# KiCad board TKEEB.kicad_pcb (continued)
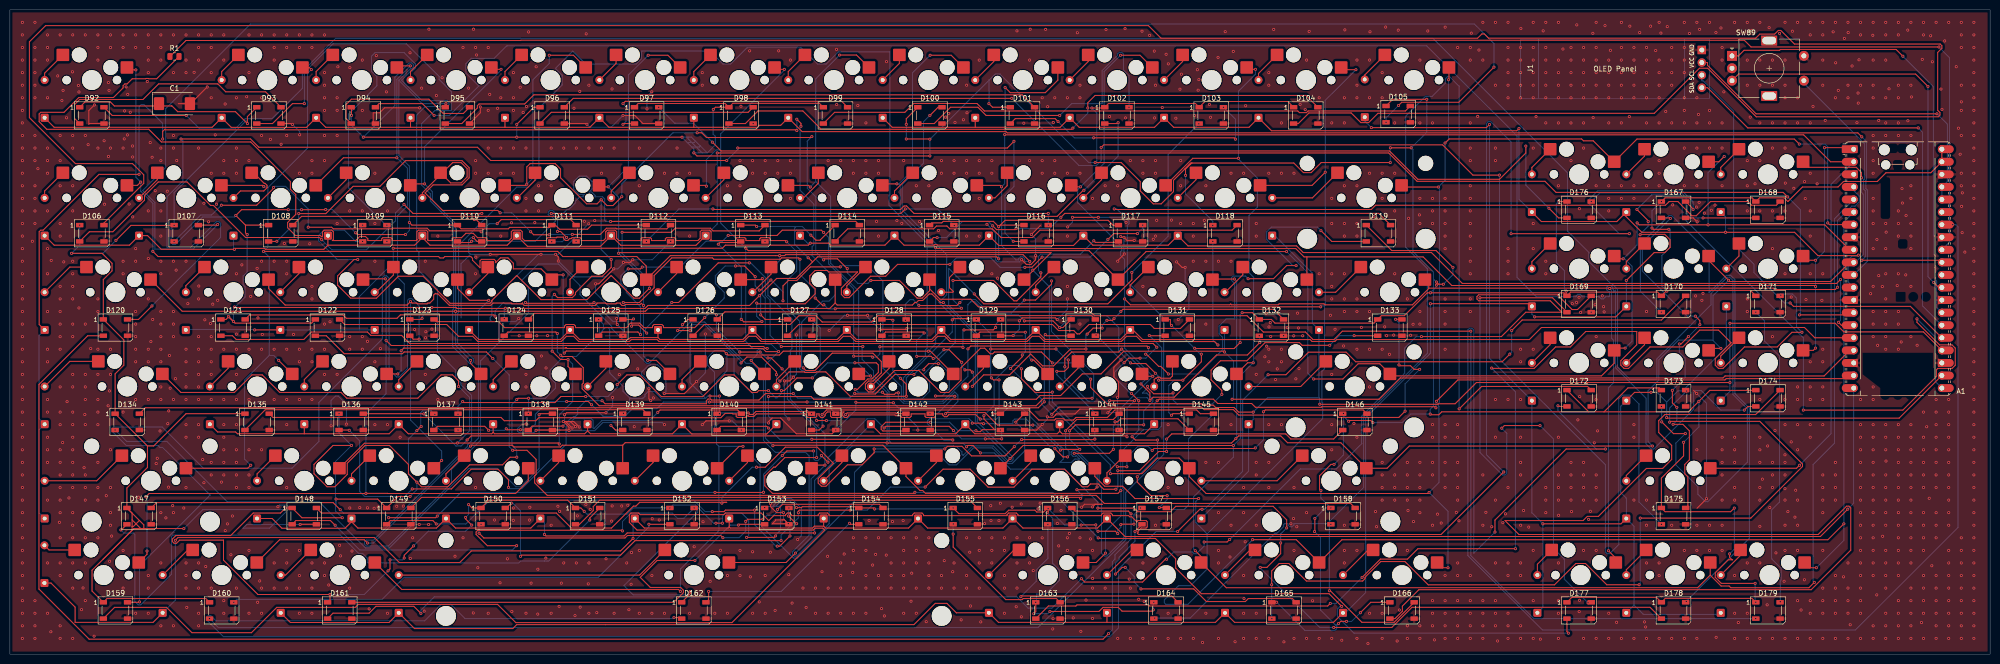
[diagram p0: board, top side]
## Routing (per net, layer and track width the routed paths; a pad name or vN(x,y) marks a point on that pad's centre or on a via; arc(x,y) is an arc through that point) (continued)
  Top w0.2: D26.2 178.45,93.56 SW26.2
Net-(D27-A): length 7.3
  Top w0.2: SW27.2 201.18,94.63 198.72,92.16 D27.2
Net-(D28-A): length 6.6
  Top w0.2: D28.2 220.23,95.85 SW28.2
Net-(D29-A): length 6.6
  Top w0.2: D29.2 239.28,95.85 SW29.2
Net-(D30-A): length 6.6
  Top w0.2: D30.2 35.49,74.42 SW30.2
Net-(D31-A): length 6.6
  Top w0.2: SW31.2 58.31,76.88 D31.2
Net-(D32-A): length 6.8
  Top w0.2: D32.2 73.88,73.11 77.36,76.59 SW32.2
Net-(D33-A): length 6.6
  Top w0.2: SW33.2 96.41,76.88 D33.2
Net-(D34-A): length 6.1
  Top w0.2: SW34.2 112.99,75.72 D34.2
Net-(D35-A): length 6.6
  Top w0.2: SW35.2 134.51,76.88 D35.2
Net-(D36-A): length 6.7
  Top w0.2: D36.2 149.89,73.11 153.56,76.78 SW36.2
Net-(D37-A): length 6.6
  Top w0.2: SW37.2 168.84,74.42 D37.2
Net-(D38-A): length 8.6
  Top w0.2: SW38.2 189.56,76.09 189.56,74.01 190.33,73.24 190.2,73.11 D38.2
Net-(D39-A): length 6.6
  Top w0.2: D39.2 206.94,74.51 SW39.2
Net-(D40-A): length 6.6
  Top w0.2: D40.2 225.99,74.51 SW40.2
Net-(D41-A): length 6.7
  Top w0.2: D41.2 245.21,73.11 248.72,76.63 SW41.2
Net-(D42-A): length 6.6
  Top w0.2: D42.2 44.02,57.75 SW42.2
Net-(D43-A): length 6.6
  Top w0.2: D43.2 59.39,55.46 SW43.2
Net-(D44-A): length 6.6
  Top w0.2: SW44.2 78.44,55.46 D44.2
Net-(D45-A): length 6.6
  Top w0.2: SW45.2 97.49,55.46 D45.2
Net-(D46-A): length 6.6
  Top w0.2: SW46.2 120.22,57.75 D46.2
Net-(D47-A): length 6.6
  Top w0.2: SW47.2 135.59,55.46 D47.2
Net-(D48-A): length 6.6
  Top w0.2: SW48.2 154.64,55.46 D48.2
Net-(D49-A): length 6.6
  Top w0.2: D49.2 177.37,57.75 SW49.2
Net-(D50-A): length 6.6
  Top w0.2: D50.2 196.42,57.75 SW50.2
Net-(D51-A): length 6.6
  Top w0.2: D51.2 215.47,57.75 SW51.2
Net-(D52-A): length 8.5
  Top w0.2: SW52.2 234.52,56.22 234.54,56.2 234.08,55.74 232.2,55.74 232,55.94 231.5,55.94 231.3,55.74 231.12,55.74 230.84,55.46 D52.2
Net-(D53-A): length 6.6
  Top w0.2: SW53.2 49.86,36.41 D53.2
Net-(D54-A): length 6.6
  Top w0.2: D54.2 68.91,36.41 SW54.2
Net-(D55-A): length 6.6
  Top w0.2: SW55.2 87.96,36.41 D55.2
Net-(D56-A): length 6.6
  Top w0.2: D56.2 110.7,38.7 SW56.2
Net-(D57-A): length 6.6
  Top w0.2: D57.2 129.75,38.7 SW57.2
Net-(D58-A): length 6.6
  Top w0.2: SW58.2 148.8,38.7 D58.2
Net-(D59-A): length 6.6
  Top w0.2: SW59.2 167.85,38.7 D59.2
Net-(D60-A): length 6.6
  Top w0.2: SW60.2 186.9,38.7 D60.2
Net-(D61-A): length 6.6
  Top w0.2: D61.2 205.95,38.7 SW61.2
Net-(D62-A): length 6.7
  Top w0.2: D62.2 221.31,36.61 224.79,40.09 SW62.2
Net-(D63-A): length 6.5
  Top w0.2: D63.2 7.9,21.04 SW63.2
Net-(D64-A): length 8.2
  Top w0.2: D64.2 35.89,21.04 SW64.2
Net-(D65-A): length 8.2
  Top w0.2: D65.2 55.61,15.96 SW65.2
Net-(D66-A): length 55.8
  Top w0.2: D66.2 127.05,15.96 SW66.2
Net-(D67-A): length 8.2
  Top w0.2: D67.2 202.58,21.04 SW67.2
Net-(D68-A): length 8.2
  Top w0.2: D68.2 226.39,21.04 SW68.2
Net-(D69-A): length 8.2
  Top w0.2: SW69.2 250.21,21.04 D69.2
Net-(D70-A): length 8.2
  Top w0.2: SW70.2 274.02,21.04 D70.2
Net-(D71-A): length 6.6
  Top w0.2: SW71.2 307.04,79.27 D71.2
Net-(D72-A): length 6.6
  Top w0.2: SW72.2 326.09,79.27 D72.2
Net-(D73-A): length 6.1
  Top w0.2: SW73.2 348.82,80.43 D73.2
Net-(D74-A): length 6.7
  Top w0.2: D74.2 326.09,36.09 SW74.2
Net-(D75-A): length 6.3
  Top w0.2: D75.2 308.15,18.15 SW75.2
Net-(D76-A): length 6.7
  Top w0.2: D76.2 326.09,17.04 SW76.2
Net-(D77-A): length 6.7
  Top w0.2: SW77.2 349.14,19.96 D77.2
Net-(D78-A): length 6.6
  Top w0.2: D78.2 273.32,117 SW78.2
Net-(D79-A): length 6.6
  Top w0.2: D79.2 310.72,62.51 SW79.2
Net-(D80-A): length 6.6
  Top w0.2: D80.2 329.77,62.51 SW80.2
Net-(D81-A): length 6.6
  Top w0.2: D81.2 345.14,60.22 SW81.2
Net-(D82-A): length 17.7
  Top w0.2: D82.2 17.51,35.01 SW82.2
Net-(D83-A): length 10.5
  Top w0.2: SW83.2 267.46,73.11 D83.2
Net-(D84-A): length 10.5
  Top w0.2: SW84.2 12.08,78.19 D84.2
Net-(D85-A): length 12.9
  Top w0.2: SW85.2 12.08,59.14 D85.2
Net-(D86-A): length 15.3
  Top w0.2: SW86.2 262.75,92.16 D86.2
Net-(D87-A): length 17.7
  Top w0.2: SW87.2 260.4,54.06 D87.2
Net-(D88-A): length 22.5
  Top w0.2: D88.2 255.64,35.01 SW88.2
Net-(D92-DOUT): length 49.6
  Top w0.2: D92.2 13.03,108.23 13.03,111.01 14.06,112.04 26.84,112.04 30,115.2 41.94,115.2 43.54,113.59 51.58,113.59 D93.4
Net-(D94-DOUT): length 31.4
  Top w0.2: 68.84,107.18 67.79,108.23 67.79,111.01 68.9,112.11 84.53,112.11 87.41,109.23 91.48,109.23 D95.4
Net-(D96-DOUT): length 44.4
  Top w0.2: D96.2 109.22,109.46 148.92,109.46 D98.4
Net-(D97-DOUT): length 53.1
  Top w0.2: v1(123.68,107.03) 123.83,107.18 D97.2 ; D99.4 167.8,111.68 124.15,111.68 v1(123.68,111.21)
  Bottom w0.2: v1(123.68,107.03) 124.28,107.63 124.28,110.61 v1(123.68,111.21)
Net-(D100-DIN): length 417.9
  Top w0.2: v1(185.59,108.83) 187.25,110.48 D100.4 ; v1(59.39,111.21) 57,111.21 52.97,107.18 D93.2
  Bottom w0.2: v1(59.39,111.21) 59.39,117.52 65.18,123.31 79.97,123.31 86.59,116.69 86.59,116.1 89.06,113.63 89.06,109.79 85.69,109.79 83.05,107.15 83.05,94.75 84.81,92.99 84.81,91.54 89.51,86.84 89.51,69.7 89.31,69.5 89.31,62.13 92.7,58.75 93.19,58.75 93.55,59.1 93.55,59.6 90.32,62.83 90.32,68.8 90.52,69 90.52,82.62 102.23,94.33 104.53,94.33 106.73,96.54 106.73,110.32 111.42,115.01 111.42,116.95 110.05,118.32 113.55,121.82 116.17,119.21 126.35,119.21 127.44,120.29 127.44,121.82 141.25,121.82 143.87,119.21 145.4,119.21 148.71,122.51 159.62,122.51 162.92,119.21 164.64,119.21 167.11,121.68 177.51,121.68 177.51,92.78 177.35,92.62 177.35,90.67 185.04,82.98 185.04,61.8 184.69,61.45 184.69,60.25 180.23,55.79 180.23,51.84 180.58,51.49 183.95,51.49 185.56,53.09 185.56,55.04 184.19,56.41 190.7,62.93 190.7,67.77 187.43,71.04 188.99,72.6 188.99,80.73 180.01,89.7 180.01,94.91 184.31,99.2 184.31,107.54 v1(185.59,108.83)
Net-(D100-DOUT): length 64.3
  Top w0.2: v1(211.79,108.83) 196.93,108.83 195.28,110.48 189.77,110.48 186.47,107.18 D100.2
  Bottom w0.2: v1(225.77,110.48) 225.77,116.9 224.65,118.02 224.65,121.24 224.29,121.59 223.8,121.59 223.44,121.24 223.44,120.95 220.35,117.86 220.35,111.21 214.17,111.21 v1(211.79,108.83)
Net-(D101-DIN): length 122.6
  Top w0.2: D95.2 91.15,107.18 94.3,110.33 94.3,110.79 94.65,111.14 103.85,111.14 105.7,112.99 204.21,112.99 D101.4
Net-(D101-DOUT): length 55
  Top w0.2: D101.2 202.82,108.18 210.87,108.18 v1(211.45,107.6) ; v1(218.64,104.3) 246.98,104.3 v1(247.24,104.04)
  Bottom w0.2: v1(211.45,107.6) 214.75,104.3 v1(218.64,104.3) ; v1(244.82,110.48) 247.24,108.06 v1(247.24,104.04)
Net-(D102-DOUT): length 181.8
  Top w0.2: 57.06,86.63 57.07,86.62 57.08,86.62 ; v1(223.57,107.36) 223.39,107.18 D102.2 ; D108.4 58.84,88.43 211.26,88.43 216.54,93.71 v1(216.67,93.71)
  Bottom w0.2: v1(223.57,107.36) 223.57,100.61 v1(216.67,93.71)
Net-(D103-DOUT): length 545.8
  Top w0.2: D103.2 239.89,107.18 v1(239.84,107.13) ; v1(194.54,72.78) 194.54,72.7 196.47,70.77 221.5,70.77 226.34,75.6 v1(226.34,77.1)
  Bottom w0.2: v1(76.06,86.67) 75.85,86.67 68.31,94.21 68.31,109.08 74.02,114.79 74.02,116.67 72.94,117.75 72.94,120.79 73.66,121.51 79.54,121.51 81.8,119.26 81.8,118.43 81.21,117.84 80.93,117.84 79.02,115.93 83.14,111.81 88.21,111.81 88.56,111.46 88.56,110.96 88.21,110.61 83.76,110.61 82.06,108.91 82.06,81.6 82.51,81.15 82.51,77.43 86.24,73.69 86.24,61.05 89.92,57.37 89.92,55.84 91.01,54.75 91.01,54.4 93.14,52.27 93.14,43.1 92.32,42.28 92.32,42 73.36,23.04 71.89,23.04 71.54,22.69 71.54,22.19 71.89,21.84 76.34,21.84 89.06,34.56 89.06,37.32 94.94,43.2 94.94,59.23 104.6,68.88 104.6,74.09 103.22,75.46 106.58,78.82 110.66,78.82 115.02,74.46 115.02,72.62 121.41,66.23 121.41,65.78 128.44,58.75 128.94,58.75 137.27,67.07 140.17,67.07 148.5,58.75 149.79,58.75 152.02,56.52 152.02,43.17 154.43,40.75 160.53,40.75 161.23,40.05 161.23,24.01 157.88,20.66 157.88,20.16 158.23,19.81 158.73,19.81 165.26,26.34 165.26,37.45 169.86,42.05 190.41,42.05 190.52,41.94 190.97,41.94 192.05,40.86 192.05,40.41 192.26,40.2 192.36,40.2 194.2,42.05 198.38,42.05 201.52,38.9 202.02,38.9 202.37,39.25 202.37,39.75 195.15,46.97 195.15,64.74 189.39,70.5 189.39,77.93 v1(194.54,72.78) ; v1(239.84,107.13) 233.67,100.96 233.67,84.43 v1(226.34,77.1)
Net-(D104-DIN): length 126.5
  Top w0.2: D104.4 261.48,112.87 218.93,112.87 217.45,111.39 v1(217.45,110.33) ; v1(214.44,106.27) 214.2,106.03 163.67,106.03 159.97,109.73 150.92,109.73 148.37,107.18 D98.2
  Bottom w0.2: v1(217.45,110.33) 217.45,109.28 v1(214.44,106.27)
Net-(D104-DOUT): length 602.9
  Top w0.2: D104.2 259.92,107.18 262.07,109.33 270.59,109.33 272.54,107.38 274.11,107.38 276,109.26 331.75,109.26 340.85,118.36 342.5,118.36 352.31,108.55 389.02,108.55 389.37,108.9 389.37,109.4 388.91,109.86 388.91,121.56 389.76,122.41 389.76,122.9 389.4,123.26 360,123.26 357.26,126 356.76,126 356.02,125.26 353.01,125.26 352.2,124.44 298.3,124.44 297.45,125.29 296.95,125.29 296.08,124.42 232.23,124.42 229.68,126.97 7.2,126.97 3.93,123.7 3.93,108.39 13.22,99.09 24.73,99.09 27,96.83 27,95.12 18.98,87.09 D106.4
Net-(D105-DIN): length 121.4
  Top w0.2: D99.2 166.37,109.46 180.54,109.46 182.32,111.23 195.1,111.23 196.6,109.73 259.81,109.73 260.15,109.39 261.56,109.39 261.9,109.73 281.51,109.73 D105.4
Net-(D105-DOUT): length 358.3
  Top w0.2: v1(299.39,118.58) 292.3,111.49 280.79,111.49 v1(280.14,110.84) ; D107.4 41.8,86.67 v1(41.91,86.78)
  Bottom w0.2: v1(299.39,118.58) 299.39,123.35 295.46,127.28 48.51,127.28 31.41,110.18 31.41,98.3 26.8,93.68 29.24,91.24 29.24,81.82 36.95,81.82 v1(41.91,86.78) ; v1(280.14,110.84) 277.62,108.32 v1(277.62,107.44)
Net-(D106-DOUT): length 101.8
  Top w0.2: v1(79.5,90.85) 81.32,89.03 v1(95.2,89.03) ; v1(93.69,87.79) 94.06,87.79 D110.4 ; D106.2 16.04,85.33 20.77,85.33 27.15,91.71 27.15,92.62 29.93,95.39 35.73,95.39 40.48,90.64 41.07,90.64 47.54,84.17 62.45,84.17 v1(62.9,83.72)
  Bottom w0.2: v1(95.2,89.03) 94.93,89.03 v1(93.69,87.79) ; v1(79.5,90.85) 77.79,89.14 77.79,87.56 71.93,81.69 64.93,81.69 v1(62.9,83.72)
Net-(D107-DOUT): length 93.3
  Top w0.2: v1(60.18,86.24) 64.91,86.24 65.23,85.92 77.12,85.92 77.25,86.05 84.15,86.05 84.68,85.52 94.87,85.52 v1(95.07,85.32) ; v1(53.18,94.26) 53.18,94.1 49.77,90.69 v1(42.66,90.69) ; D111.4 113.13,87.77 99.11,87.77 v1(98.3,86.96)
  Bottom w0.2: v1(42.66,90.69) 40.68,88.71 38.47,88.71 v1(33.13,83.37) ; v1(60.18,86.24) 60.18,89.93 55.6,94.51 53.43,94.51 v1(53.18,94.26) ; v1(98.3,86.96) 96.71,86.96 v1(95.07,85.32)
Net-(D108-DOUT): length 114.6
  Top w0.2: v1(53.85,83.4) 53.82,83.37 D108.2 ; v1(113.45,84.79) 119.09,84.79 120.35,86.05 122.25,86.05 122.38,85.92 132.53,85.92 D112.4 ; v1(105.06,85.33) 105.67,84.72 v1(108.8,84.72) ; v1(98.89,89.16) 98.42,89.63 87.29,89.63 83.75,93.17 85.37,94.79 91.2,94.79 92.64,96.23 92.64,98.26 91.2,99.7 79.84,99.7 74.65,94.51 69.24,94.51 63.72,88.99 v1(58.27,88.99)
  Bottom w0.2: v1(98.89,89.16) 101.23,89.16 v1(105.06,85.33) ; v1(108.8,84.72) 108.87,84.79 v1(113.45,84.79) ; v1(53.85,83.4) 58.27,87.82 v1(58.27,88.99)
Net-(D109-DOUT): length 148.8
  Top w0.2: D113.4 151.15,85.5 141.85,85.5 141.3,86.05 134.23,86.05 133.4,85.22 v1(123.5,85.22) ; v1(70.17,79.71) 69.4,79.71 66.11,76.42 66.11,74.54 68.73,71.91 73.95,71.91 78.38,76.34 83.35,76.34 88.82,70.88 96.85,70.88 97.2,71.23 97.2,71.45 102.18,76.42 102.32,76.42 107.13,71.61 116.42,71.61 121.23,76.42 121.37,76.42 125.88,71.91 127.02,71.91 v1(129.01,73.9)
  Bottom w0.2: v1(123.5,85.22) 123.5,80.97 129.01,75.46 v1(129.01,73.9) ; v1(71.16,83.39) 69.74,83.39 67.49,85.64 63.37,85.64 62.3,84.57 62.3,83.48 66.06,79.71 v1(70.17,79.71)
Net-(D110-DOUT): length 105.8
  Top w0.2: v1(93.15,83.41) 92.89,83.15 90.5,83.15 D110.2 ; v1(121.18,87.41) 122.02,87.41 122.03,87.42 170.63,87.42 D114.4
  Bottom w0.2: v1(121.18,87.41) 120.22,87.41 120,87.63 120,91.93 119.54,92.4 118.06,92.4 118.06,92.66 117.35,93.37 116.87,93.37 117.44,93.94 117.44,95.47 116.35,96.55 114.82,96.55 113.74,95.47 113.74,93.94 114.82,92.85 115.85,92.85 115.65,92.66 115.65,92.4 114.98,92.4 114.12,91.54 114.12,91.19 112.75,89.82 112.4,89.82 110.69,88.11 109.8,89 109.8,89.28 109.45,89.63 108.95,89.63 108.6,89.28 108.6,88.78 108.95,88.43 109.23,88.43 110.06,87.6 110.06,87.48 105.99,83.41 v1(93.15,83.41)
Net-(D111-DOUT): length 93.1
  Top w0.2: D115.4 190.43,86.66 v1(190.51,86.58) ; v1(180.64,89.93) 179.74,89.03 v1(109.2,89.03) ; v1(110.46,85.4) 111.08,85.4 v1(112.3,84.18)
  Bottom w0.2: v1(112.3,84.18) 111.43,83.31 v1(109.3,83.31) ; v1(180.64,89.93) 187.16,89.93 v1(190.51,86.58) ; v1(110.46,85.4) 110.46,87.77 v1(109.2,89.03)
Net-(D112-DOUT): length 87.2
  Top w0.2: v1(141.82,89.94) 141.94,89.82 179.67,89.82 180.39,90.53 180.88,90.53 182.39,89.03 v1(209.48,89.03) ; D112.2 v1(128.41,83.37)
  Bottom w0.2: v1(141.82,89.94) 134.98,89.94 v1(128.41,83.37) ; v1(209.48,86.67) 209.48,86.67 v1(209.48,89.03)
Net-(D113-DOUT): length 132.5
  Top w0.2: v1(150.66,70.91) 150.8,70.77 160.44,70.77 162.44,72.78 162.44,73.8 161.36,74.89 161.36,76.42 162.44,77.5 164.9,77.5 165.2,77.2 171.01,77.2 167.74,73.93 167.74,72.66 168.38,72.01 169.3,72.01 173.63,76.34 176.68,76.34 179.08,78.74 v1(189.63,78.74) ; v1(142.91,82.82) 143.24,83.15 147.21,83.15 D113.2 ; v1(227.46,84.95) 222.67,84.95 v1(221.51,83.79) ; v1(208.23,80.2) 206.21,78.18 204.8,78.18 v1(204.75,78.13) ; v1(151.71,67.19) 151.78,67.19 151.71,67.13 148.05,67.13 v1(147.54,67.64)
  Bottom w0.2: v1(189.63,78.74) 190.93,80.04 197.87,80.04 199.78,78.13 v1(204.75,78.13) ; v1(142.91,82.82) 147.54,78.19 v1(147.54,67.64) ; v1(221.51,83.79) 217.92,80.2 v1(208.23,80.2) ; v1(227.46,84.95) 228.53,86.02 v1(228.53,86.67) ; v1(150.66,70.91) 150.66,68.25 v1(151.71,67.19)
Net-(D114-DOUT): length 84.4
  Top w0.2: D118.4 246.55,85.64 207.78,85.64 206.31,84.17 199.94,84.17 198.19,85.92 189.6,85.92 189.03,86.49 186.92,86.49 186.35,85.92 169.03,85.92 D114.2
Net-(D115-DOUT): length 97.7
  Top w0.2: D119.4 276.16,89.04 212.81,89.04 v1(212.02,88.25) ; v1(198.27,86.52) 199.04,85.75 202.77,85.75 v1(202.98,85.96) ; D115.2 186.31,84.15 v1(187.05,84.15)
  Bottom w0.2: v1(187.05,84.15) 188.93,84.15 192.21,87.43 197.36,87.43 v1(198.27,86.52) ; v1(202.98,85.96) 209.73,85.96 v1(212.02,88.25)
Net-(D116-DOUT): length 260.3
  Top w0.2: v1(144.61,99.72) 97,99.72 94.32,102.4 50.22,102.4 48.55,104.07 v1(34.52,104.07) ; v1(146.83,102.25) 201.21,102.25 v1(202.56,103.6) ; v1(202.41,83.41) 202.45,83.37 D116.2 ; D120.4 25.94,67.62 v1(28.66,70.34)
  Bottom w0.2: v1(146.83,102.25) 146.83,101.94 v1(144.61,99.72) ; v1(202.56,103.6) 202.56,94.48 200.74,92.66 200.74,85.08 v1(202.41,83.41) ; v1(34.52,104.07) 34.89,103.7 34.89,95.57 31.7,92.38 31.7,82.22 36.5,82.22 41.66,87.38 42.16,87.38 42.51,87.03 42.51,84.19 v1(28.66,70.34)
Net-(D117-DOUT): length 216
  Top w0.2: v1(162.45,71.94) 164,70.39 164.03,70.39 v1(164.21,70.57) ; v1(117.83,71.04) 117.66,70.87 104.17,70.87 v1(104,71.04) ; v1(191.95,69.87) 166.6,69.87 v1(166.49,69.76) ; D121.4 48.37,68.52 67.19,68.52 67.87,67.84 78.08,67.84 78.77,68.53 97.62,68.53 v1(97.88,68.27) ; v1(207.98,77.03) 207.98,76.21 203.14,71.37 202.56,71.37 198.44,75.49 v1(190.26,75.49) ; D117.2 223.45,83.19 218.97,83.19 v1(218.66,83.5) ; v1(123.73,71.04) 127,71.04 129.96,74.01 129.96,76.49 133.52,80.04 141.73,80.04 142.01,79.77 155.4,79.77 155.68,80.05 159.11,80.05 v1(159.39,79.77)
  Bottom w0.2: v1(117.83,71.04) 121.68,67.19 123.94,67.19 124.17,67.42 124.17,70.6 v1(123.73,71.04) ; v1(164.21,70.57) 165.02,69.76 v1(166.49,69.76) ; v1(159.39,79.77) 159.39,76.7 162.45,73.64 v1(162.45,71.94) ; v1(191.95,69.87) 190.26,71.56 v1(190.26,75.49) ; v1(104,71.04) 103.72,70.77 99.85,70.77 99.58,71.04 97.88,69.34 v1(97.88,68.27) ; v1(218.66,83.5) 215.96,80.8 207.98,80.8 207.51,80.33 207.51,77.5 v1(207.98,77.03)
Net-(D118-DOUT): length 206.2
  Top w0.2: D122.4 67.54,66.59 88.11,66.59 90.5,64.21 93.36,64.21 94.4,63.17 111.23,63.17 112.27,64.21 113.71,64.21 114.75,63.17 124.98,63.17 125.35,63.54 130.57,63.54 130.95,63.17 148.03,63.17 149.07,64.21 150.51,64.21 151.55,63.16 167.08,63.16 168.12,64.21 169.56,64.21 170.6,63.17 186.13,63.17 187.17,64.21 188.61,64.21 189.65,63.17 205.18,63.17 206.22,64.21 207.66,64.21 208.7,63.17 224.23,63.17 225.27,64.21 227.27,64.21 228.34,63.15 243.01,63.15 v1(243.7,62.46)
  Bottom w0.2: v1(243.7,62.46) 242.68,63.48 v1(242.68,83.37)
Net-(D119-DOUT): length 284.3
  Top w0.2: v1(233.71,56.59) 232.17,58.13 231.75,58.13 229.28,60.6 v1(229.12,60.6) ; v1(151.18,73.54) 151.47,73.54 v1(153.52,75.58) ; v1(167.52,78.23) 161.49,78.23 158.76,75.5 157.07,75.5 155.96,74.39 v1(155.96,71.38) ; v1(229.68,61.94) 229.38,62.24 193.85,62.24 v1(193.27,61.66) ; v1(150.35,76.25) 148.19,78.41 v1(146.38,78.41) ; v1(249.79,75.84) 254.91,75.84 257.56,78.49 v1(259.47,78.49) ; v1(140.18,67.99) 138.15,65.96 131.84,65.96 131.84,66.28 131.53,66.59 129.95,66.59 129.64,66.28 129.64,65.96 127.93,65.96 127.02,66.87 125.46,66.87 125.44,66.85 125.16,66.85 124.81,66.5 124.81,66.37 124.4,65.96 114.09,65.96 114.09,66.28 113.78,66.59 112.2,66.59 111.89,66.28 111.89,65.96 99.8,65.96 98.59,67.17 86.02,67.17 D123.4 ; v1(264.49,85.55) 266.67,83.37 D119.2
  Bottom w0.2: v1(229.68,61.94) 229.68,61.16 v1(229.12,60.6) ; v1(151.18,73.54) 150.35,74.37 v1(150.35,76.25) ; v1(249.79,75.84) 249.25,76.38 246.78,76.38 246.42,76.03 246.42,75.53 247.09,74.86 247.09,67.73 245.39,67.73 243.94,66.28 243.94,64.71 244.64,64.01 244.64,61.48 239.75,56.59 v1(233.71,56.59) ; v1(140.18,67.99) 144.1,71.91 144.1,73.1 142.31,74.89 142.31,76.42 144.3,78.41 v1(146.38,78.41) ; v1(155.96,71.38) 155.96,73.17 153.55,75.58 v1(153.52,75.58) ; v1(193.27,61.66) 193.27,56.15 188.21,51.09 180.42,51.09 179.83,51.67 179.83,54.07 176.11,57.79 176.11,75.38 173.01,78.48 167.77,78.48 v1(167.52,78.23) ; v1(264.49,85.55) 263.79,86.25 254.48,86.25 253.55,85.33 253.55,83.76 258.82,78.49 v1(259.47,78.49)
Net-(D120-DOUT): length 317.3
  Top w0.2: v1(226.17,28.34) 225.61,28.9 214.86,28.9 D156.4 ; v1(221.64,4.13) 220.53,3.02 15.98,3.02 5.86,13.14 5.86,54.48 15.7,64.32 D120.2
  Bottom w0.2: v1(226.17,28.34) 226.17,23.27 222.93,20.03 222.93,19.2 222.41,18.69 222.41,4.9 v1(221.64,4.13)
Net-(D121-DOUT): length 244.8
  Top w0.2: v1(228,59.79) 225.7,59.79 v1(224.77,58.86) ; v1(233.46,32.02) 230.16,32.02 227.43,34.75 v1(227.43,35.84) ; v1(226.26,52.67) 227.73,51.2 v1(227.73,51.19) ; v1(226.38,43.91) 227.05,43.25 v1(231.52,43.25) ; v1(231.37,62) 230.63,62.74 148.32,62.74 80.67,62.74 79.02,64.39 72.8,64.39 72.13,65.07 60.79,65.07 59.29,63.57 45.65,63.57 44.9,64.32 D121.2 ; v1(231.86,29.59) 233.21,29.59 D157.4
  Bottom w0.2: v1(226.26,52.67) 226.09,52.67 222.83,55.93 222.83,56.93 224.76,58.86 v1(224.77,58.86) ; v1(227.43,35.84) 231.52,39.92 v1(231.52,43.25) ; v1(228,59.79) 229.16,59.79 v1(231.37,62) ; 231.77,29.5 233.46,31.19 v1(233.46,32.02) ; v1(227.73,51.19) 227.73,45.26 v1(226.38,43.91)
Net-(D122-DOUT): length 236.2
  Top w0.2: v1(101.43,41.18) 104.31,41.18 106.15,39.34 106.15,36.29 105.86,36 105.86,34.61 108.4,32.07 219.15,32.07 220.78,30.44 270.47,30.44 D158.4 ; D122.2 63.82,64.32 67.45,60.69 79.17,60.69 79.53,61.04 96.11,61.04 v1(97.42,59.73)
  Bottom w0.2: v1(97.42,59.73) 100.73,56.42 100.73,41.88 v1(101.43,41.18)
Net-(D123-DOUT): length 192.4
  Top w0.2: D123.2 81.36,63.63 v1(82.55,63.63) ; D159.4 26.06,10.47 v1(26.14,10.55)
  Bottom w0.2: v1(26.14,10.55) 26.14,17.87 40.4,32.13 30.75,41.78 30.25,41.78 29.9,42.13 23.51,42.13 20.62,45.02 20.62,45.52 20.97,45.87 30.71,45.87 39.02,37.56 56.93,37.56 62.33,42.96 62.33,50.86 75.14,63.67 75.14,76.07 75.49,76.42 75.99,76.42 76.49,75.92 76.49,57.51 78.01,55.99 78.51,55.99 80.22,57.7 80.22,71.46 80.57,71.82 81.07,71.82 82.55,70.33 v1(82.55,63.63)
Net-(D124-DIN): length 274.2
  Top w0.2: v1(147.24,61.03) 151.34,61.03 v1(151.35,61.02) ; v1(162.75,39.7) 156.33,39.7 154.4,37.77 154.08,37.77 152.29,35.99 152.29,34.02 153.84,32.47 182.36,32.47 v1(182.58,32.69) ; v1(155.78,57.62) 153.58,59.82 v1(152.92,59.82) ; v1(314.42,4.23) 314.11,4.54 D177.2 ; D124.4 105.83,68.84 142.26,68.84 v1(142.53,68.57) ; v1(219.55,23.48) 219.67,23.36 231.09,23.36 235.18,19.27 235.18,17.39 240.37,12.2 266.12,12.2 v1(268.68,9.64)
  Bottom w0.2: v1(142.53,68.57) 142.53,65.74 v1(147.24,61.03) ; v1(314.42,4.23) 271.17,4.23 267.84,7.56 267.84,9.13 268.35,9.64 v1(268.68,9.64) ; v1(151.35,61.02) 152.4,59.97 152.86,59.97 152.86,59.88 v1(152.92,59.82) ; v1(182.58,32.69) 182.6,32.67 210.36,32.67 v1(219.55,23.48) ; v1(162.75,39.7) 162.75,45.63 156.83,51.55 156.83,56.57 v1(155.78,57.62)
Net-(D124-DOUT): length 196.7
  Top w0.2: D128.4 180.81,67.62 v1(180.64,67.45) ; v1(204.64,71.53) 206.91,71.53 210.14,74.76 v1(210.14,75.39) ; v1(110.43,64.77) 110.13,65.07 100.47,65.07 D124.2 ; v1(111.13,60.37) 111.38,60.12 113.42,60.12 115.67,57.87 115.67,54.76 115.44,54.52 115.44,53.61 118.87,50.17 207.02,50.17 208.54,51.69 v1(218.32,51.69) ; 183.36,70.42 183.33,70.45 ; 183.36,70.42 v1(183.36,70.47) ; 183.36,70.42 191.04,70.42 v1(191.64,71.02)
  Bottom w0.2: v1(191.64,71.02) 192.25,71.63 194.78,71.63 197.5,68.92 202.03,68.92 v1(204.64,71.53) ; v1(183.36,70.47) 182.21,71.62 181.58,71.62 180.64,70.68 v1(180.64,67.45) ; v1(110.43,64.77) 110.43,61.07 v1(111.13,60.37) ; v1(210.14,75.39) 210.14,65.16 218.64,56.66 218.64,52.01 v1(218.32,51.69)
Net-(D125-DIN): length 282.6
  Top w0.2: v1(252.23,17.52) 253.59,17.52 256.36,20.29 v1(256.36,22.46) ; v1(125.41,66.25) 125.63,66.47 126.85,66.47 v1(128.46,64.86) ; v1(149.17,79.04) 142.9,79.04 134.89,71.04 v1(133.53,71.04) ; v1(195.79,40.65) 194.28,42.16 193.27,42.16 v1(193,41.89) ; D125.4 125.72,67.62 v1(125.81,67.71) ; v1(267.06,5.39) 278.78,5.39 282.84,9.45 330.88,9.45 D178.2 ; v1(172.07,62.14) v1(155.61,62.14) ; v1(219.48,29.5) 226.84,29.5 227.56,28.77 234.11,28.77 235.21,29.86 254.83,29.86 257.57,27.12 v1(257.57,25.49)
  Bottom w0.2: v1(128.46,64.86) 128.22,65.1 128.22,65.73 v1(133.53,71.04) ; v1(149.17,79.04) 149.44,79.04 152.38,76.1 152.38,72.5 153.36,71.52 153.36,64.39 v1(155.61,62.14) ; v1(257.57,25.49) 256.36,24.28 v1(256.36,22.46) ; v1(219.48,29.5) 219.48,30.7 212.82,37.36 201.86,37.36 198.57,40.65 v1(195.79,40.65) ; v1(172.07,62.14) 171.92,61.99 171.92,59.54 174.23,57.23 174.23,56.27 177.09,53.41 177.09,53.29 177.37,53.02 177.37,43.1 177.57,42.9 177.57,42.81 177.84,42.54 192.35,42.54 v1(193,41.89) ; v1(125.81,67.71) 125.41,67.31 v1(125.41,66.25) ; v1(252.23,17.52) 252.23,17.39 264.23,5.39 v1(267.06,5.39)
Net-(D125-DOUT): length 131.1
  Top w0.2: v1(174.06,59.99) 173.85,60.2 v1(170.22,60.2) ; v1(144.91,84.59) 154.76,84.59 155.81,85.64 163.71,85.64 v1(164.15,85.2) ; v1(127.22,64.54) 126.69,65.07 119.52,65.07 D125.2 ; v1(192.47,65.5) 198.37,65.5 v1(198.86,65.99) ; v1(175.51,62.09) 192.11,62.09 v1(192.27,61.93) ; v1(127.57,78.2) 127.19,77.82 v1(124.74,77.82)
  Bottom w0.2: v1(192.47,65.5) 192.27,65.3 v1(192.27,61.93) ; v1(124.74,77.82) 124.66,77.82 123.26,76.42 123.26,74.89 124.34,73.8 124.34,73.07 127.22,70.19 v1(127.22,64.54) ; v1(199.87,67.62) 198.86,66.61 v1(198.86,65.99) ; v1(164.15,85.2) 165.18,84.17 165.18,78.82 170.22,73.77 v1(170.22,60.2) ; v1(144.91,84.59) 143.74,83.42 140.42,83.42 135.2,78.2 v1(127.57,78.2) ; v1(174.06,59.99) 174.83,59.99 175.51,60.67 v1(175.51,62.09)
Net-(D126-DIN): length 263.8
  Top w0.2: D126.4 144.24,69.14 218.03,69.14 218.8,68.37 249.57,68.37 252.87,65.07 261.35,65.07 262.86,63.57 267.13,63.57 268.81,65.24 v1(294.72,65.24)
  Bottom w0.2: v1(352.21,7.17) 307.44,7.17 294.72,19.89 v1(294.72,65.24)
Net-(D126-DOUT): length 84.2
  Top w0.2: D126.2 140.09,66.59 157.42,66.59 159.19,68.37 162.59,68.37 163.87,67.1 173.82,67.1 175.1,68.38 218.22,68.38 D130.4
Net-(D127-DIN): length 271.6
  Top w0.2: v1(156.71,83.3) 156.46,83.55 153.38,83.55 153.38,83.89 153.15,84.12 151.5,84.12 151.28,83.89 151.28,83.55 148.48,83.55 148.48,83.89 148.25,84.12 146.6,84.12 146.38,83.89 146.38,83.55 141.24,83.55 141.45,83.76 141.45,85.33 141.14,85.64 139.57,85.64 139.25,85.33 139.25,84.01 138.79,83.55 134.33,83.55 134.33,83.89 134.1,84.12 132.45,84.12 132.23,83.89 132.23,83.55 129.43,83.55 129.43,83.89 129.2,84.12 127.55,84.12 127.33,83.89 127.33,83.55 122.86,83.55 122.4,84.01 122.4,85.33 122.09,85.64 120.52,85.64 120.2,85.33 120.2,84.01 119.74,83.55 115.28,83.55 115.28,83.89 115.05,84.12 113.4,84.12 113.21,83.93 112.9,83.93 112.55,83.58 112.05,83.58 111.7,83.93 111.7,84.21 111.66,84.25 110.38,84.25 110.25,84.12 108.5,84.12 108.28,83.89 108.28,83.55 103.81,83.55 103.35,84.01 103.35,85.33 103.04,85.64 101.47,85.64 101.15,85.33 101.15,84.01 100.69,83.55 96.23,83.55 96.23,83.89 96,84.12 94.35,84.12 93.45,85.02 91.99,85.02 91.92,84.95 91.92,84.94 91.1,84.12 89.45,84.12 89.23,83.89 89.23,83.55 84.38,83.55 84.24,83.69 84.3,83.76 84.3,85.33 83.99,85.64 82.42,85.64 82.1,85.33 82.1,83.76 82.17,83.69 82.02,83.55 77.11,83.55 77.11,83.89 76.88,84.12 75.23,84.12 75.01,83.89 75.01,83.55 72.21,83.55 72.21,83.89 71.74,84.36 70.55,84.36 70.33,84.14 70.33,84.12 70.17,83.96 70.17,83.95 69.94,83.72 69.93,83.72 69.76,83.55 65.04,83.55 65.25,83.76 65.25,85.33 64.94,85.64 63.37,85.64 63.05,85.33 63.05,84.33 62.86,84.33 62.62,84.57 57.6,84.57 56.03,86.15 56.03,87.19 57.67,88.84 57.67,92.85 56.59,93.94 56.59,95.47 48.59,103.47 30.56,103.47 28,106.03 7.44,106.03 5.9,107.57 5.9,109.14 6.22,109.46 10.91,109.46 13.89,112.44 20.88,112.44 22.84,114.4 22.84,114.84 23.19,115.19 23.63,115.19 24.68,116.24 27.4,116.24 27.46,116.3 27.96,116.3 28.02,116.24 29.61,116.24 R1.2
  Bottom w0.2: v1(156.71,83.3) 158.71,81.3 158.71,77.43 156.88,75.59 156.88,69.68 159.34,67.23 159.34,57.69 159.8,57.23 162.33,57.23 163.47,58.38 163.47,65.91 v1(161.77,67.62)
